# Altium PCB DAC_Sources_REV2.PcbDoc (part 7 of 9)
Units mil, origin at the board's own origin, x right, y up, seen from the top; angles counter-clockwise.
Board outline 10905.51 x 5393.7 mil, 8 copper layers (Top Layer, GND_02, SIG_03, PWR_04, PWR_05, SIG_06, GND_07, Bottom Layer), stack 65.69 mil thick; 663 components, 464 nets, 2338 pads, 2140 vias.
Unrouted connection lines stored in the file: 515.
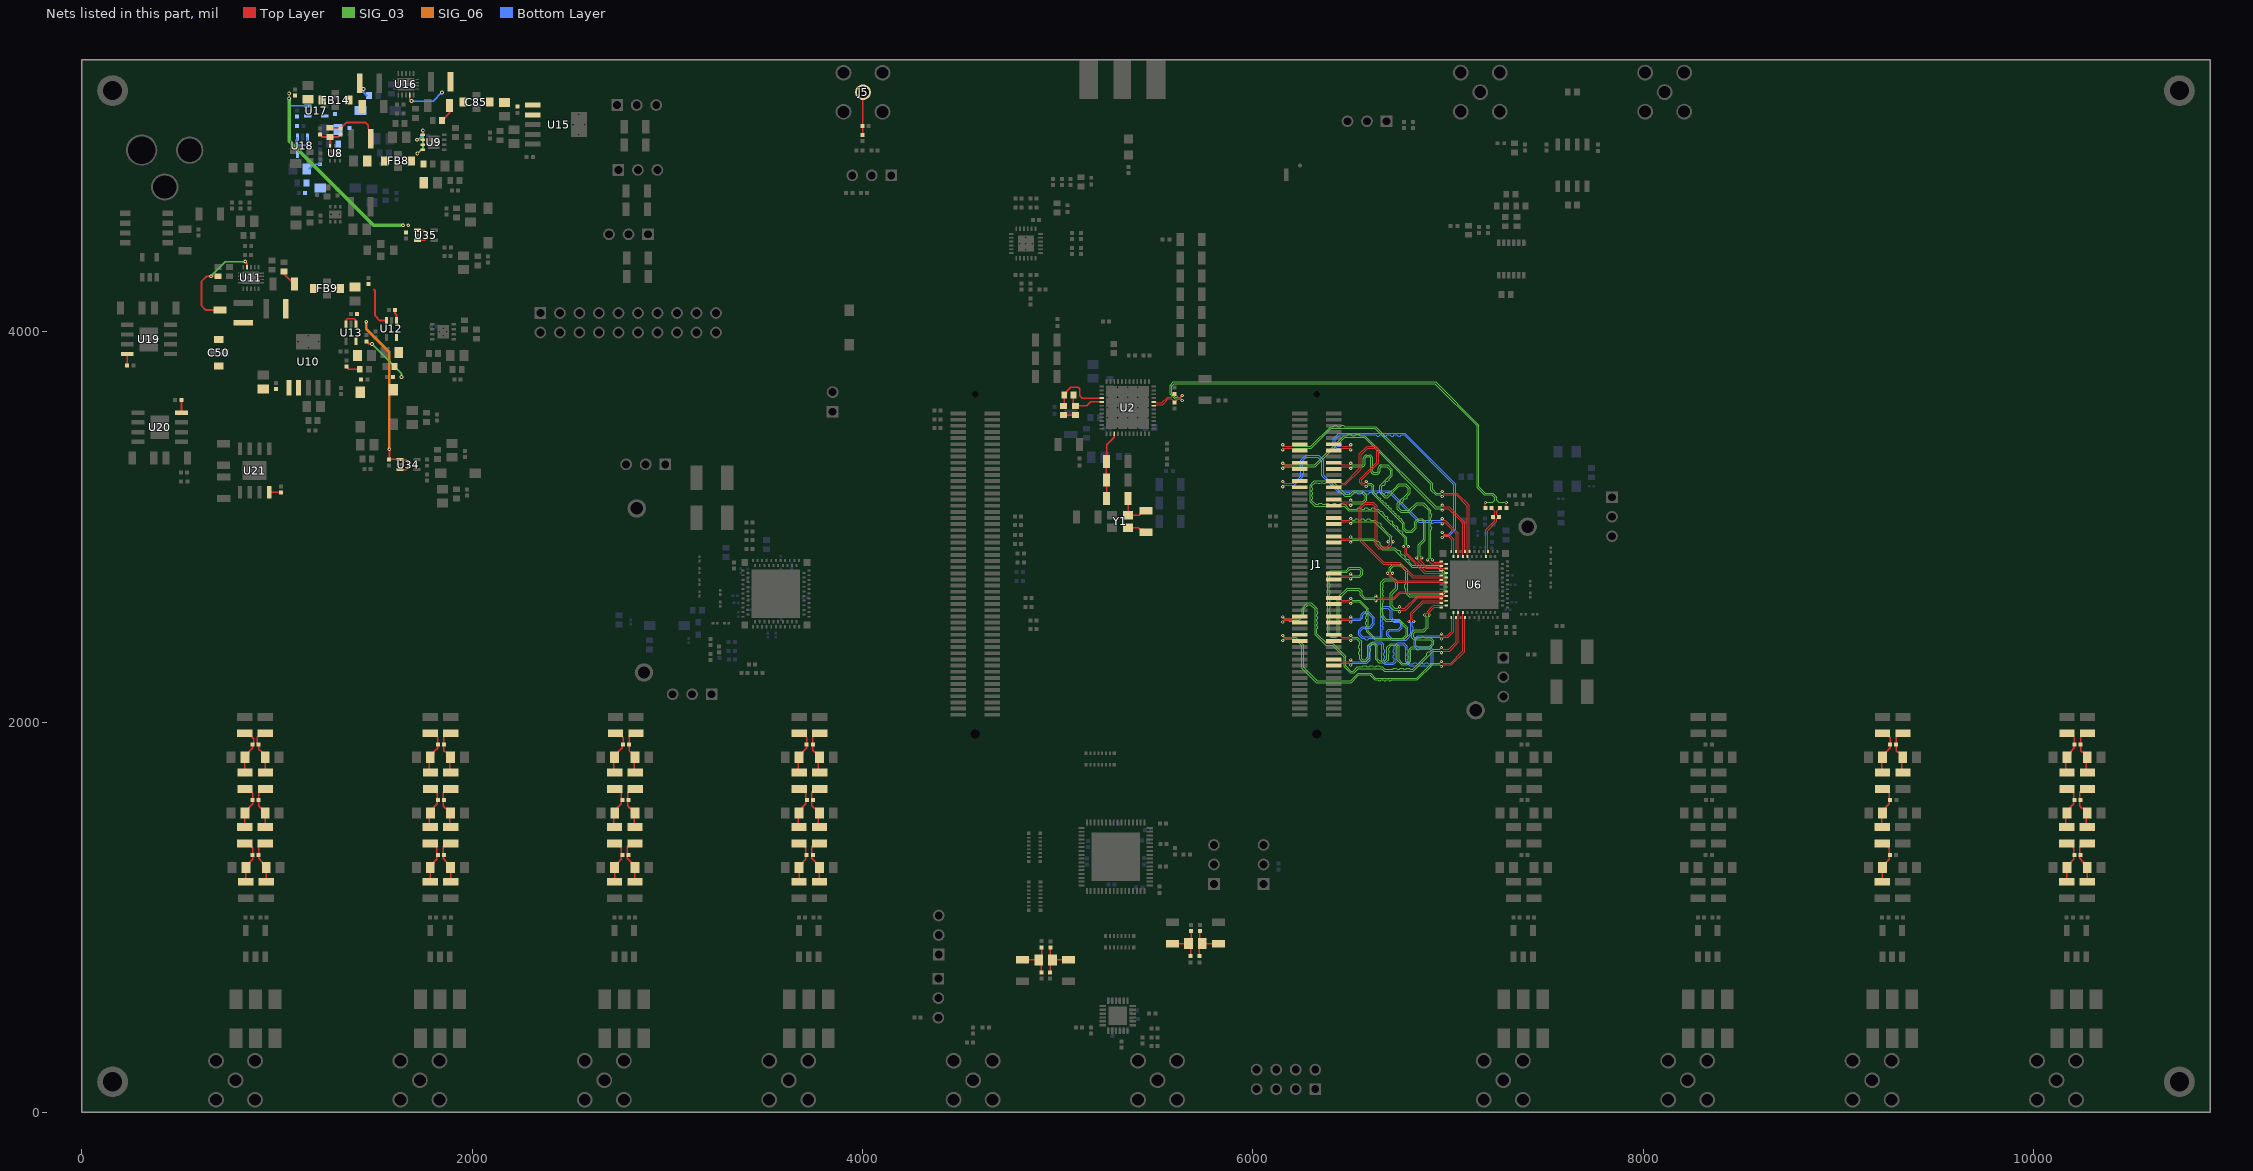
[diagram p13: the nets of this part, all layers, seen from the top]

## Via types
v1: diameter 16, hole 8, Top Layer to Bottom Layer, tented both sides, 1452 vias
v2: diameter 20, hole 10, Top Layer to Bottom Layer, tented both sides, 509 vias
v3: diameter 10, hole 6, Top Layer to Bottom Layer, tented both sides, 65 vias
v4: diameter 23.62, hole 11.81, Top Layer to Bottom Layer, tented top, 59 vias
v5: diameter 24, hole 12, Top Layer to Bottom Layer, tented top, 34 vias
v6: diameter 24, hole 12, Top Layer to Bottom Layer, tented both sides, 15 vias
v7: diameter 23.62, hole 11.81, Top Layer to Bottom Layer, tented both sides, 4 vias
v8: diameter 78.74, hole 39.37, Top Layer to Bottom Layer, tented both sides, 2 vias

## Nets (pads, with @x,y where several pads share a name; then routed paths per layer and width w, separated by ;. In a path a pad name is that pad's centre, name@x,y a point inside that pad or via, vN(x,y) a via of type N, cw(c..) or ccw(c..) an arc to the next point about the centre after c; other vN are vias at no path point) (continued)
JX2_D1_DAC2_N: J1.76 U6.A26 | length 1471
  Top Layer w5: v1(6153.66,2418.77) 6162.16,2427.27 6200.68,2427.27 6204.27,2423.68 6204.27,2423.37 6211.61,2416.02 J1.76@6241.14,2416.02 ; v1(6966.54,2285.1) 6975.04,2293.6 7017.51,2293.6 7084.98,2361.08 7084.98,2527.13 7085.37,2527.52 7085.37,2533.01 U6.A26@7087.8,2535.43
  SIG_03 w4: v1(6153.66,2418.77) 6162.16,2427.27 6215.25,2427.27 6251.24,2391.28 6251.24,2276.59 6325.46,2202.36 6504.46,2202.36 6543.77,2241.67 6599.67,2241.67 6624.75,2216.59 6640.89,2216.59 6645.28,2212.2 6653.88,2212.2 6658.27,2216.59 6669.24,2216.59 6673.62,2212.2 6680.65,2212.2 6685.04,2216.59 6696.01,2216.59 6700.39,2212.2 6707.43,2212.2 6711.81,2216.59 6843.76,2216.59 6920.77,2293.6 6958.04,2293.6 v1(6966.54,2285.1)
JX2_D1_DAC2_P: J1.74 U6.B23 | length 1470
  Top Layer w5: v1(6153.66,2444.77) 6162.16,2436.27 6201.34,2436.27 6204.27,2439.2 6204.27,2440.18 6211.61,2447.52 J1.74@6241.14,2447.52 ; v1(6966.54,2311.1) 6975.04,2302.6 7013.78,2302.6 7075.98,2364.81 U6.B23@7075.98,2561.02
  SIG_03 w4: v1(6153.66,2444.77) 6162.16,2436.27 6194.28,2436.27 6218.98,2436.27 6260.24,2395.01 6260.24,2280.31 6329.19,2211.36 6500.73,2211.36 6540.04,2250.67 6603.4,2250.67 6628.48,2225.59 6840.03,2225.59 6917.04,2302.6 6958.04,2302.6 v1(6966.54,2311.1)
JX2_D2_DAC2_N: J1.70 U6.B22 | length 1551
  Top Layer w5: v1(6153.66,2513.26) 6162.16,2521.76 6200.68,2521.76 6204.27,2518.17 6204.27,2517.85 6211.61,2510.51 J1.70@6241.14,2510.51 J1.70@6233.8,2517.85 ; v1(6966.54,2355.57) 6975.04,2364.07 7008.06,2364.07 7052.36,2408.38 7052.36,2495.78 U6.B22@7052.36,2561.02
  SIG_03 w4: v1(6153.66,2513.26) 6162.16,2521.76 6181.42,2521.76 6187.43,2515.75 6198.26,2515.75 6204.27,2521.76 6238.69,2521.76 6261.42,2544.49 6261.42,2580.02 6283.81,2602.42 6295.23,2602.42 6320.13,2577.51 6320.13,2448.76 6374.47,2394.42 6406.63,2394.42 6467.9,2333.15 6467.9,2284.33 6499.42,2252.81 6515.22,2252.81 6518.95,2252.81 6540.16,2274.02 6660.11,2274.02 6672.65,2261.47 6822.1,2261.47 6924.7,2364.07 6958.04,2364.07 v1(6966.54,2355.57)
JX2_D2_DAC2_P: J1.68 U6.A24 | length 1540.5
  Top Layer w5: v1(6153.66,2539.26) 6162.16,2530.76 6201.34,2530.76 6204.27,2533.69 6204.27,2534.67 6211.61,2542.01 J1.68@6241.14,2542.01 ; v1(6966.54,2381.57) 6975.04,2373.07 7004.33,2373.07 7043.36,2412.11 7043.36,2527.13 7042.97,2527.52 7042.97,2533.01 U6.A24@7040.55,2535.43
  SIG_03 w4: v1(6153.66,2539.26) 6162.16,2530.76 6234.96,2530.76 6252.42,2548.22 6252.42,2583.75 6280.08,2611.42 6298.96,2611.42 6329.13,2581.24 6329.13,2566.54 6332.28,2563.39 6332.28,2554.33 6328.74,2550.79 6328.74,2541.73 6331.89,2538.58 6331.89,2529.53 6328.74,2526.38 6328.74,2517.32 6331.89,2514.17 6331.89,2505.12 6328.74,2501.97 6328.74,2492.91 6331.89,2489.76 6331.89,2480.71 6328.74,2477.56 6328.74,2452.89 6378.2,2403.42 6410.36,2403.42 6476.9,2336.88 6476.9,2288.06 6503.15,2261.81 6515.22,2261.81 6536.43,2283.02 6561.47,2283.02 6566.98,2288.53 6579.18,2288.53 6584.7,2283.02 6595.59,2283.02 6601.1,2288.53 6613.31,2288.53 6618.82,2283.02 6629.71,2283.02 6635.22,2288.53 6647.43,2288.53 6652.94,2283.02 6663.83,2283.02 6676.38,2270.47 6716.01,2270.47 6721.52,2275.98 6733.72,2275.98 6739.24,2270.47 6750.13,2270.47 6755.64,2275.98 6767.85,2275.98 6773.36,2270.47 6784.25,2270.47 6789.76,2275.98 6801.97,2275.98 6807.48,2270.47 6818.37,2270.47 6891.34,2343.44 6891.34,2353.15 6898.55,2360.37 6908.27,2360.37 6920.98,2373.07 6958.04,2373.07 v1(6966.54,2381.57)
JX2_D3_DAC2_N: J1.83 U6.B21 | length 1387.3
  Top Layer w5: J1.83@6414.37,2290.04 6443.9,2290.04 6451.24,2297.38 6451.24,2297.7 6454.83,2301.29 6493.35,2301.29 v1(6501.85,2292.79) ; v1(6966.54,2426.05) 6975.04,2434.55 7000.58,2434.55 7028.74,2462.71 7028.74,2495.78 U6.B21@7028.74,2561.02
  Bottom Layer w5: v1(6501.85,2292.79) 6510.35,2301.29 6583.7,2301.29 6601.77,2319.36 6601.77,2387.07 6617.06,2402.36 6655.12,2402.36 6661.87,2395.61 6661.87,2310.05 6675.41,2296.51 6720.26,2296.51 6733.86,2310.11 6733.86,2387.35 6744.15,2397.64 6769.69,2397.64 6782.73,2384.59 6782.73,2308.53 6798.42,2292.85 6801.05,2290.21 6912,2290.21 6923.62,2301.84 6923.62,2370.45 6907.82,2386.25 6844.06,2386.25 6835.04,2395.28 6835.04,2421.26 6848.33,2434.55 6958.04,2434.55 v1(6966.54,2426.05)
JX2_D3_DAC2_P: J1.81 U6.A23 | length 1389.5
  Top Layer w5: J1.81@6414.37,2321.54 6443.9,2321.54 6451.24,2314.19 6451.24,2313.22 6454.17,2310.29 6493.35,2310.29 v1(6501.85,2318.79) ; v1(6966.54,2452.05) 6975.04,2443.55 6996.85,2443.55 7019.74,2466.44 7019.74,2527.13 7019.35,2527.52 7019.35,2533.01 U6.A23@7016.93,2535.43
  Bottom Layer w5: v1(6501.85,2318.79) 6510.35,2310.29 6579.97,2310.29 6592.77,2323.09 6592.77,2390.8 6613.33,2411.36 6658.85,2411.36 6670.87,2399.34 6670.87,2373.04 6676.38,2367.53 6676.38,2358.34 6670.87,2352.83 6670.87,2343.83 6676.38,2338.32 6676.38,2329.13 6670.87,2323.62 6670.87,2313.78 6679.13,2305.51 6716.54,2305.51 6724.86,2313.83 6724.86,2324.46 6719.35,2329.98 6719.35,2339.16 6724.86,2344.68 6724.86,2353.68 6719.35,2359.19 6719.35,2368.37 6724.86,2373.89 6724.86,2391.07 6740.42,2406.64 6773.41,2406.64 6791.73,2388.32 6791.73,2369.89 6797.24,2364.38 6797.24,2355.2 6791.73,2349.68 6791.73,2340.68 6797.24,2335.17 6797.24,2325.98 6791.73,2320.47 6791.73,2312.26 6804.78,2299.21 6821.37,2299.21 6826.88,2304.72 6836.07,2304.72 6841.58,2299.21 6850.58,2299.21 6856.09,2304.72 6865.28,2304.72 6870.79,2299.21 6879.79,2299.21 6885.3,2304.72 6894.49,2304.72 6900,2299.21 6908.27,2299.21 6914.62,2305.57 6914.62,2366.72 6904.09,2377.25 6840.33,2377.25 6826.04,2391.55 6826.04,2424.99 6844.6,2443.55 6958.04,2443.55 v1(6966.54,2452.05)
JX2_D4_DAC2_N: J1.75 U6.A22 | length 1424.3
  Top Layer w5: J1.75@6414.37,2416.02 6443.9,2416.02 6451.24,2423.37 6451.24,2423.68 6454.83,2427.27 6493.35,2427.27 v1(6501.85,2418.77) ; v1(6906.3,2548.9) 6906.3,2551.87 6901.87,2556.3 6901.87,2561.47 6924.38,2583.98 6929.83,2589.43 6957.45,2589.43 6957.83,2589.04 6963.33,2589.04 U6.A22@6965.75,2586.61
  SIG_03 w4: v1(6501.85,2418.77) 6510.35,2427.27 6530.87,2427.27 6548.48,2409.66 6548.48,2396.91 6542.52,2390.94 6542.52,2379.53 6548.48,2373.57 6548.48,2364.57 6542.52,2358.61 6542.52,2347.19 6548.48,2341.23 6548.48,2321.86 6558.48,2311.87 6580.5,2311.87 6599.21,2330.58 6599.21,2358.27 6604.33,2363.39 6604.33,2373.62 6599.21,2378.74 6599.21,2389.76 6608.27,2398.82 6618.77,2398.82 6629.13,2388.45 6629.13,2359.28 6629.13,2321.11 6645.86,2304.39 6679.71,2304.39 6696.06,2320.74 6696.06,2348.67 6700.39,2353 6700.39,2363.39 6696.06,2367.72 6696.06,2379.13 6710.63,2393.7 6730.71,2393.7 6740.21,2384.2 6740.21,2315.96 6762.41,2293.76 6792.31,2293.76 6810.24,2311.68 6810.24,2369.77 6817.72,2377.25 6834.16,2377.25 6839.76,2371.65 6850,2371.65 6855.6,2377.25 6906.91,2377.25 6927.58,2397.92 6927.58,2416.4 6912.05,2431.93 6881.46,2431.93 6875.59,2437.8 6868.69,2437.8 6862.82,2431.93 6829.1,2431.93 6823.62,2437.4 6823.62,2453.54 6833.52,2463.44 6877.74,2463.44 6883.02,2468.71 6892.53,2478.22 6897.8,2483.5 6897.8,2540.4 v1(6906.3,2548.9)
JX2_D4_DAC2_P: J1.73 U6.B20 | length 1425.3
  Top Layer w5: J1.73@6414.37,2447.52 6443.9,2447.52 6451.24,2440.18 6451.24,2439.2 6454.17,2436.27 6493.35,2436.27 v1(6501.85,2444.77) ; v1(6880.3,2548.9) 6892.87,2561.47 6892.87,2565.2 6920.65,2592.98 6926.1,2598.43 U6.B20@6991.34,2598.43
  SIG_03 w4: v1(6501.85,2444.77) 6510.35,2436.27 6534.59,2436.27 6557.48,2413.39 6557.48,2325.59 6562.2,2320.87 6576.77,2320.87 6590.21,2334.31 6590.21,2393.49 6604.54,2407.82 6622.5,2407.82 6638.13,2392.18 6638.13,2355.55 6638.13,2324.84 6649.59,2313.39 6675.98,2313.39 6687.06,2324.46 6687.06,2382.86 6706.9,2402.7 6734.44,2402.7 6749.21,2387.93 6749.21,2319.69 6766.14,2302.76 6788.58,2302.76 6801.24,2315.41 6801.24,2373.5 6813.99,2386.25 6852.94,2386.25 6903.18,2386.25 6918.58,2401.65 6918.58,2412.67 6908.32,2422.93 6869.43,2422.93 6825.37,2422.93 6814.62,2433.67 6814.62,2457.27 6829.79,2472.44 6874.02,2472.44 6888.8,2487.22 6888.8,2540.4 v1(6880.3,2548.9)
JX2_D5_DAC2_N: J1.69 U6.A21 | length 1388.6
  Top Layer w5: J1.69@6414.37,2510.51 6443.9,2510.51 6451.24,2517.85 6451.24,2518.17 6454.83,2521.76 6493.35,2521.76 v1(6501.85,2513.26) ; v1(6825.59,2516.61) 6817.09,2525.11 6817.09,2555.91 6874.23,2613.05 6957.45,2613.05 6957.83,2612.66 6963.33,2612.66 U6.A21@6965.75,2610.24
  Bottom Layer w5: v1(6501.85,2513.26) 6510.35,2521.76 6551.68,2521.76 6554.32,2524.4 6563.78,2533.86 6563.78,2548.3 6572.57,2557.09 6589.24,2557.09 6614.57,2531.76 6614.57,2505.52 6598.75,2489.71 6561.63,2489.71 6542.18,2470.26 6542.18,2446.27 6559.26,2429.19 6572.05,2429.19 6578.01,2423.23 6590.16,2423.23 6596.12,2429.19 6652.94,2429.19 6663.39,2439.63 6663.39,2472.83 6667.72,2477.17 6667.72,2486.61 6663.39,2490.94 6663.39,2497.24 6667.72,2501.57 6667.72,2511.02 6663.39,2515.35 6663.39,2521.65 6667.72,2525.98 6667.72,2535.43 6663.39,2539.76 6663.39,2546.06 6667.72,2550.39 6667.72,2559.84 6663.39,2564.17 6663.39,2575.96 6672.13,2584.7 6691.68,2584.7 6704.85,2571.53 6704.85,2529.28 6722.26,2511.87 6749.82,2511.87 6757.42,2504.27 6757.42,2488.52 6745.67,2476.77 6696.72,2476.77 6688.07,2468.12 6685.43,2465.48 6685.43,2443.7 6708.21,2420.92 6785.22,2420.92 6817.09,2452.79 6817.09,2469.06 6822.83,2474.8 6822.83,2486.22 6817.09,2491.96 6817.09,2508.11 v1(6825.59,2516.61)
JX2_D5_DAC2_P: J1.67 U6.B19 | length 1389.7
  Top Layer w5: J1.67@6414.37,2542.01 6443.9,2542.01 6451.24,2534.67 6451.24,2533.69 6454.17,2530.76 6493.35,2530.76 v1(6501.85,2539.26) ; v1(6799.59,2516.61) 6808.09,2525.11 6808.09,2559.63 6870.5,2622.05 6926.1,2622.05 U6.B19@6991.34,2622.05
  Bottom Layer w5: v1(6501.85,2539.26) 6510.35,2530.76 6547.95,2530.76 6554.78,2537.59 6554.78,2552.02 6568.84,2566.09 6592.97,2566.09 6623.57,2535.49 6623.57,2501.13 6603.15,2480.71 6565.35,2480.71 6551.18,2466.54 6551.18,2450 6562.99,2438.19 6649.21,2438.19 6654.39,2443.36 6654.39,2579.68 6668.4,2593.7 6695.41,2593.7 6698.04,2591.06 6713.85,2575.26 6713.85,2533 6725.98,2520.87 6753.54,2520.87 6766.42,2507.99 6766.42,2484.79 6749.4,2467.77 6700.45,2467.77 6694.43,2461.76 6694.43,2447.43 6711.94,2429.92 6781.5,2429.92 6808.09,2456.52 6808.09,2508.11 v1(6799.59,2516.61)
JX2_D6_DAC2_N: J1.63 U6.A20 | length 1447.2
  Top Layer w5: J1.63@6414.37,2605 6443.9,2605 6451.24,2612.34 6451.24,2612.66 6454.83,2616.25 6493.35,2616.25 v1(6501.85,2607.75) ; v1(6751.57,2565.54) 6760.07,2574.04 6783.1,2574.04 6845.72,2636.67 6957.45,2636.67 6957.83,2636.28 6963.33,2636.28 U6.A20@6965.75,2633.86
  SIG_03 w4: v1(6501.85,2607.75) 6510.35,2616.25 6544.38,2616.25 6583.13,2577.5 6583.13,2570.53 6579.53,2566.93 6579.53,2555.12 6583.13,2551.52 6583.13,2544.09 6579.53,2540.5 6579.53,2528.69 6583.13,2525.09 6583.13,2517.66 6579.53,2514.06 6579.53,2502.25 6583.13,2498.65 6583.13,2491.23 6579.53,2487.63 6579.53,2475.82 6583.13,2472.22 6583.13,2462.81 6623.83,2422.1 6772.23,2422.1 6777.5,2427.37 6794.09,2443.97 6794.09,2483.46 6788.82,2488.74 6755.72,2521.84 6750.45,2527.11 6684.7,2527.11 6665.3,2546.51 6665.3,2609.23 6668.9,2612.83 6668.9,2620.25 6665.3,2623.85 6665.3,2635.66 6668.9,2639.26 6668.9,2646.69 6665.3,2650.28 6665.3,2662.09 6668.9,2665.69 6668.9,2673.12 6665.3,2676.72 6665.3,2688.53 6668.9,2692.13 6668.9,2699.55 6665.3,2703.15 6665.3,2712.15 6678.35,2725.2 6723.23,2725.2 6733.46,2714.96 6733.46,2688.19 6704.78,2659.5 6704.78,2592.34 6723.07,2574.04 6743.07,2574.04 v1(6751.57,2565.54)
JX2_D6_DAC2_P: J1.61 U6.B18 | length 1448.1
  Top Layer w5: J1.61@6414.37,2636.5 6443.9,2636.5 6451.24,2629.15 6451.24,2628.18 6454.17,2625.25 6493.35,2625.25 v1(6501.85,2633.75) ; v1(6751.57,2591.54) 6760.07,2583.04 6779.37,2583.04 6842,2645.67 U6.B18@6991.34,2645.67
  SIG_03 w4: v1(6501.85,2633.75) 6510.35,2625.25 6548.11,2625.25 6592.13,2581.23 6592.13,2466.54 6627.56,2431.1 6768.5,2431.1 6785.09,2447.69 6785.09,2479.74 6746.72,2518.11 6680.97,2518.11 6656.3,2542.78 6656.3,2559.45 6656.3,2715.88 6674.62,2734.2 6726.96,2734.2 6742.46,2718.69 6742.46,2684.46 6713.78,2655.78 6713.78,2596.06 6726.8,2583.04 6743.07,2583.04 v1(6751.57,2591.54)
JX2_D7_DAC2_N: J1.55 U6.A19 | length 1546
  Top Layer w5: J1.55@6414.37,2730.98 6443.9,2730.98 6451.24,2738.33 6451.24,2738.64 6454.83,2742.23 6493.35,2742.23 v1(6501.85,2733.73) ; v1(6631.1,2620.93) 6639.6,2629.43 6724.7,2629.43 6748.11,2652.83 ; 6746.46,2651.18 6755.57,2660.29 6957.45,2660.29 6957.83,2659.9 6963.33,2659.9 U6.A19@6965.75,2657.48
  SIG_03 w4: v1(6501.85,2733.73) 6510.35,2742.23 6548.27,2742.23 6550.9,2744.87 6562.94,2756.9 6562.94,2778.14 6548.28,2792.79 6494.76,2792.79 6478.29,2776.32 6397.58,2776.32 6383.07,2761.81 6383.07,2758.08 6383.07,2451.57 6388.34,2446.3 6394.53,2440.12 6399.8,2434.85 6426.46,2434.85 6437.5,2445.89 6442.77,2451.17 6442.77,2632.54 6487.01,2676.77 6540.94,2676.77 6551.18,2666.54 6551.18,2649.08 6553.82,2646.45 6570.84,2629.43 6622.6,2629.43 v1(6631.1,2620.93)
JX2_D7_DAC2_P: J1.53 U6.B17 | length 1541.1
  Top Layer w5: J1.53@6414.37,2762.48 6443.9,2762.48 6451.24,2755.14 6451.24,2754.16 6454.17,2751.23 6493.35,2751.23 v1(6501.85,2759.73) ; v1(6631.1,2646.93) 6639.6,2638.43 6720.98,2638.43 6751.84,2669.29 U6.B17@6991.34,2669.29
  SIG_03 w4: v1(6501.85,2759.73) 6510.35,2751.23 6544.54,2751.23 6553.94,2760.63 6553.94,2774.41 6544.55,2783.79 6498.49,2783.79 6482.02,2767.32 6401.31,2767.32 6392.07,2758.08 6392.07,2746.74 6397.64,2741.17 6397.64,2732.17 6392.07,2726.6 6392.07,2710.31 6397.64,2704.74 6397.64,2695.74 6392.07,2690.18 6392.07,2673.88 6397.64,2668.31 6397.64,2659.31 6392.07,2653.75 6392.07,2637.45 6397.64,2631.88 6397.64,2622.88 6392.07,2617.32 6392.07,2601.02 6397.64,2595.45 6397.64,2586.45 6392.07,2580.89 6392.07,2564.59 6397.64,2559.02 6397.64,2550.02 6392.07,2544.46 6392.07,2528.16 6397.64,2522.59 6397.64,2513.59 6392.07,2508.03 6392.07,2455.3 6403.53,2443.85 6422.73,2443.85 6433.77,2454.89 6433.77,2636.26 6436.41,2638.9 6483.28,2685.77 6544.67,2685.77 6560.18,2670.26 6560.18,2652.81 6574.56,2638.43 6622.6,2638.43 v1(6631.1,2646.93)
JX2_D8_DAC2_N: J1.37 U6.B14 | length 1448.2
  Top Layer w5: J1.37@6414.37,3014.45 6443.9,3014.45 6451.24,3021.79 6451.24,3022.11 6454.83,3025.7 6493.35,3025.7 v1(6501.85,3017.2) ; v1(6693.29,2924.49) 6701.79,2915.99 6701.79,2911.24 6688.58,2898.03 6650.26,2898.03 6636.61,2911.68 6636.61,3106.3 6631.34,3111.58 6616.59,3126.32 6571.7,3126.32 6551.78,3106.41 6546.51,3101.14 6546.51,2931.44 6667.72,2810.24 6748.43,2810.24 6818.5,2740.16 6926.1,2740.16 U6.B14@6991.34,2740.16
  SIG_03 w4: v1(6501.85,3017.2) 6510.35,3025.7 6623.12,3025.7 6701.79,2947.03 6701.79,2932.99 v1(6693.29,2924.49)
JX2_D8_DAC2_P: J1.35 U6.A15 | length 1447.8
  Top Layer w5: J1.35@6414.37,3045.94 6443.9,3045.94 6451.24,3038.6 6451.24,3037.63 6454.17,3034.7 6493.35,3034.7 v1(6501.85,3043.2) ; v1(6719.29,2924.49) 6710.79,2915.99 6710.79,2907.51 6692.31,2889.03 6646.54,2889.03 6627.61,2907.95 6627.61,3102.58 6612.87,3117.32 6575.43,3117.32 6555.51,3097.41 6555.51,2935.17 6671.44,2819.24 6752.15,2819.24 6822.23,2749.16 6957.45,2749.16 6957.83,2749.55 6963.33,2749.55 U6.A15@6965.75,2751.97
  SIG_03 w4: v1(6501.85,3043.2) 6510.35,3034.7 6521.7,3034.7 6528.74,3041.73 6536.61,3041.73 6543.65,3034.7 6551.97,3034.7 6559,3041.73 6566.88,3041.73 6573.91,3034.7 6582.23,3034.7 6589.27,3041.73 6597.14,3041.73 6604.18,3034.7 6626.85,3034.7 6639.43,3022.11 6649.94,3022.11 6658.34,3013.71 6658.34,3003.21 6670.93,2990.62 6679.81,2981.74 6710.79,2950.76 6710.79,2932.99 v1(6719.29,2924.49)
JX2_D9_DAC2_N: J1.31 U6.B13 | length 1545.3
  Top Layer w5: J1.31@6414.37,3108.94 6443.9,3108.94 6451.24,3116.28 6451.24,3116.59 6454.83,3120.19 6493.35,3120.19 v1(6501.85,3111.68) ; v1(6771.59,2899.24) 6780.09,2890.74 6780.09,2862.41 6878.72,2763.78 6926.1,2763.78 U6.B13@6991.34,2763.78
  SIG_03 w4: v1(6501.85,3111.68) 6510.35,3120.18 6567.09,3120.18 6584.98,3138.08 6584.98,3161.68 6561.74,3184.92 6515.23,3184.92 6498.03,3167.72 6475.26,3167.72 6406.75,3236.22 6315.35,3236.22 6310.08,3230.95 6294.09,3214.96 6294.09,3130.17 6317.57,3106.69 6467.59,3106.69 6491.6,3082.68 6638.58,3082.68 6780.09,2941.17 6780.09,2907.74 v1(6771.59,2899.24)
JX2_D9_DAC2_P: J1.29 U6.A14 | length 1545.1
  Top Layer w5: J1.29@6414.37,3140.43 6443.9,3140.43 6451.24,3133.09 6451.24,3132.11 6454.17,3129.19 6493.35,3129.19 v1(6501.85,3137.68) ; v1(6797.59,2899.24) 6789.09,2890.74 6789.09,2866.14 6882.45,2772.78 6957.45,2772.78 6957.83,2773.17 6963.33,2773.17 U6.A14@6965.75,2775.59
  SIG_03 w4: v1(6501.85,3137.68) 6510.35,3129.18 6563.36,3129.18 6575.98,3141.81 6575.98,3157.95 6558.01,3175.92 6518.96,3175.92 6501.76,3158.72 6471.53,3158.72 6455.16,3175.09 6448.93,3175.09 6443.97,3180.04 6443.97,3186.27 6437.78,3192.46 6431.55,3192.46 6426.6,3197.42 6426.6,3203.65 6420.4,3209.84 6414.17,3209.84 6409.22,3214.8 6409.22,3221.03 6403.02,3227.22 6374.99,3227.22 6370.66,3222.89 6363.18,3222.89 6358.85,3227.22 6347.03,3227.22 6342.7,3222.89 6335.22,3222.89 6330.89,3227.22 6319.08,3227.22 6303.09,3211.23 6303.09,3203.99 6305.91,3201.18 6305.91,3191.73 6303.09,3188.92 6303.09,3180.31 6305.91,3177.5 6305.91,3168.06 6303.09,3165.24 6303.09,3156.64 6305.91,3153.83 6305.91,3144.38 6303.09,3141.57 6303.09,3133.9 6321.3,3115.69 6335.66,3115.69 6341.62,3121.65 6351.4,3121.65 6357.36,3115.69 6371.72,3115.69 6377.68,3121.65 6387.47,3121.65 6393.43,3115.69 6407.79,3115.69 6413.75,3121.65 6423.54,3121.65 6429.5,3115.69 6443.86,3115.69 6449.82,3121.65 6459.6,3121.65 6465.56,3115.69 6471.31,3115.69 6495.33,3091.68 6534.11,3091.68 6540.07,3097.64 6549.86,3097.64 6555.82,3091.68 6570.18,3091.68 6576.14,3097.64 6585.93,3097.64 6591.89,3091.68 6606.24,3091.68 6612.2,3097.64 6621.99,3097.64 6627.95,3091.68 6642.31,3091.68 6652.89,3081.1 6661.02,3081.1 6667.32,3074.8 6667.32,3066.66 6677.9,3056.09 6686.04,3056.09 6692.34,3049.79 6692.34,3041.65 6702.91,3031.08 6711.05,3031.08 6717.35,3024.78 6717.35,3016.64 6727.92,3006.07 6736.06,3006.07 6742.36,2999.77 6742.36,2991.63 6752.93,2981.05 6761.07,2981.05 6767.37,2974.75 6767.37,2966.62 6789.09,2944.9 6789.09,2907.74 v1(6797.59,2899.24)
JX2_D10_DAC2_N: J1.25 U6.B12 | length 1452.8
  Top Layer w5: J1.25@6414.37,3203.43 6443.9,3203.43 6451.24,3210.77 6451.24,3213.05 6454.17,3215.98 6474.64,3215.98 6555.46,3296.8 6555.46,3370.42 6588.98,3403.94 6626.77,3403.94 6636.22,3394.49 6636.22,3331.89 6549.27,3244.94 6549.27,3226.19 6559.48,3215.98 6573,3215.98 v1(6581.5,3207.48) ; v1(6840.34,2841.54) 6848.84,2833.04 6848.84,2824.81 6886.24,2787.4 6926.1,2787.4 U6.B12@6991.34,2787.4
  SIG_03 w4: v1(6581.5,3207.48) 6590,3215.98 6602.13,3215.98 6611.02,3207.09 6611.02,3173.04 6711.17,3072.9 6767.77,3016.3 6767.77,2989.19 6784.46,2972.5 6815.93,2972.5 6837.8,2994.36 6837.8,3022.24 6849.81,3034.25 6865.56,3034.25 6874.8,3025.01 6874.8,2935.96 6848.84,2909.99 6848.84,2850.04 v1(6840.34,2841.54)
JX2_D10_DAC2_P: J1.23 U6.A13 | length 1451.2
  Top Layer w5: J1.23@6414.37,3234.92 6443.9,3234.92 6453.84,3224.98 6470.91,3224.98 6546.46,3300.52 6546.46,3374.15 6585.25,3412.94 6630.5,3412.94 6645.22,3398.22 6645.22,3328.16 6558.27,3241.21 6558.27,3229.92 6563.21,3224.98 6573,3224.98 v1(6581.5,3233.48) ; v1(6866.34,2841.54) 6857.84,2833.04 6857.84,2828.54 6889.97,2796.4 6957.45,2796.4 6957.83,2796.79 6963.33,2796.79 U6.A13@6965.75,2799.21
  SIG_03 w4: v1(6581.5,3233.48) 6590,3224.98 6605.86,3224.98 6620.02,3210.81 6620.02,3176.77 6646.13,3150.66 6650.91,3150.66 6655.98,3145.6 6655.98,3140.82 6659.45,3137.35 6664.23,3137.35 6669.29,3132.28 6669.29,3127.5 6672.76,3124.03 6677.54,3124.03 6682.61,3118.97 6682.61,3114.19 6686.08,3110.72 6690.86,3110.72 6695.92,3105.65 6695.92,3100.87 6699.4,3097.4 6704.18,3097.4 6709.24,3092.34 6709.24,3087.56 6712.71,3084.08 6717.49,3084.08 6722.55,3079.02 6722.55,3074.24 6726.03,3070.77 6730.81,3070.77 6735.87,3065.71 6735.87,3060.93 6739.34,3057.45 6744.12,3057.45 6749.18,3052.39 6749.18,3047.61 6752.66,3044.14 6757.42,3044.16 6762.48,3039.1 6762.48,3034.32 6776.77,3020.02 6776.77,2992.91 6788.19,2981.5 6812.2,2981.5 6828.8,2998.09 6828.8,3025.96 6846.08,3043.25 6869.29,3043.25 6883.8,3028.74 6883.8,2932.23 6857.84,2906.26 6857.84,2850.04 v1(6866.34,2841.54)